# Altium PCB roach2.PcbDoc (part 34 of 39)
Units mil, origin at the board's own origin, x right, y up, seen from the top; angles counter-clockwise.
Board outline 12007.87 x 9606.3 mil, 16 copper layers (L1_TOP, L2_G, L3_S, L4_G, L5_S, L6_P, L7_G, L8_R, L9_R, L10_P, L11_P, L12_S, L13_P, L14_S, L15_G, L16_BOT), stack 81.651 mil thick; 1608 components, 1934 nets, 9335 pads, 6759 vias.
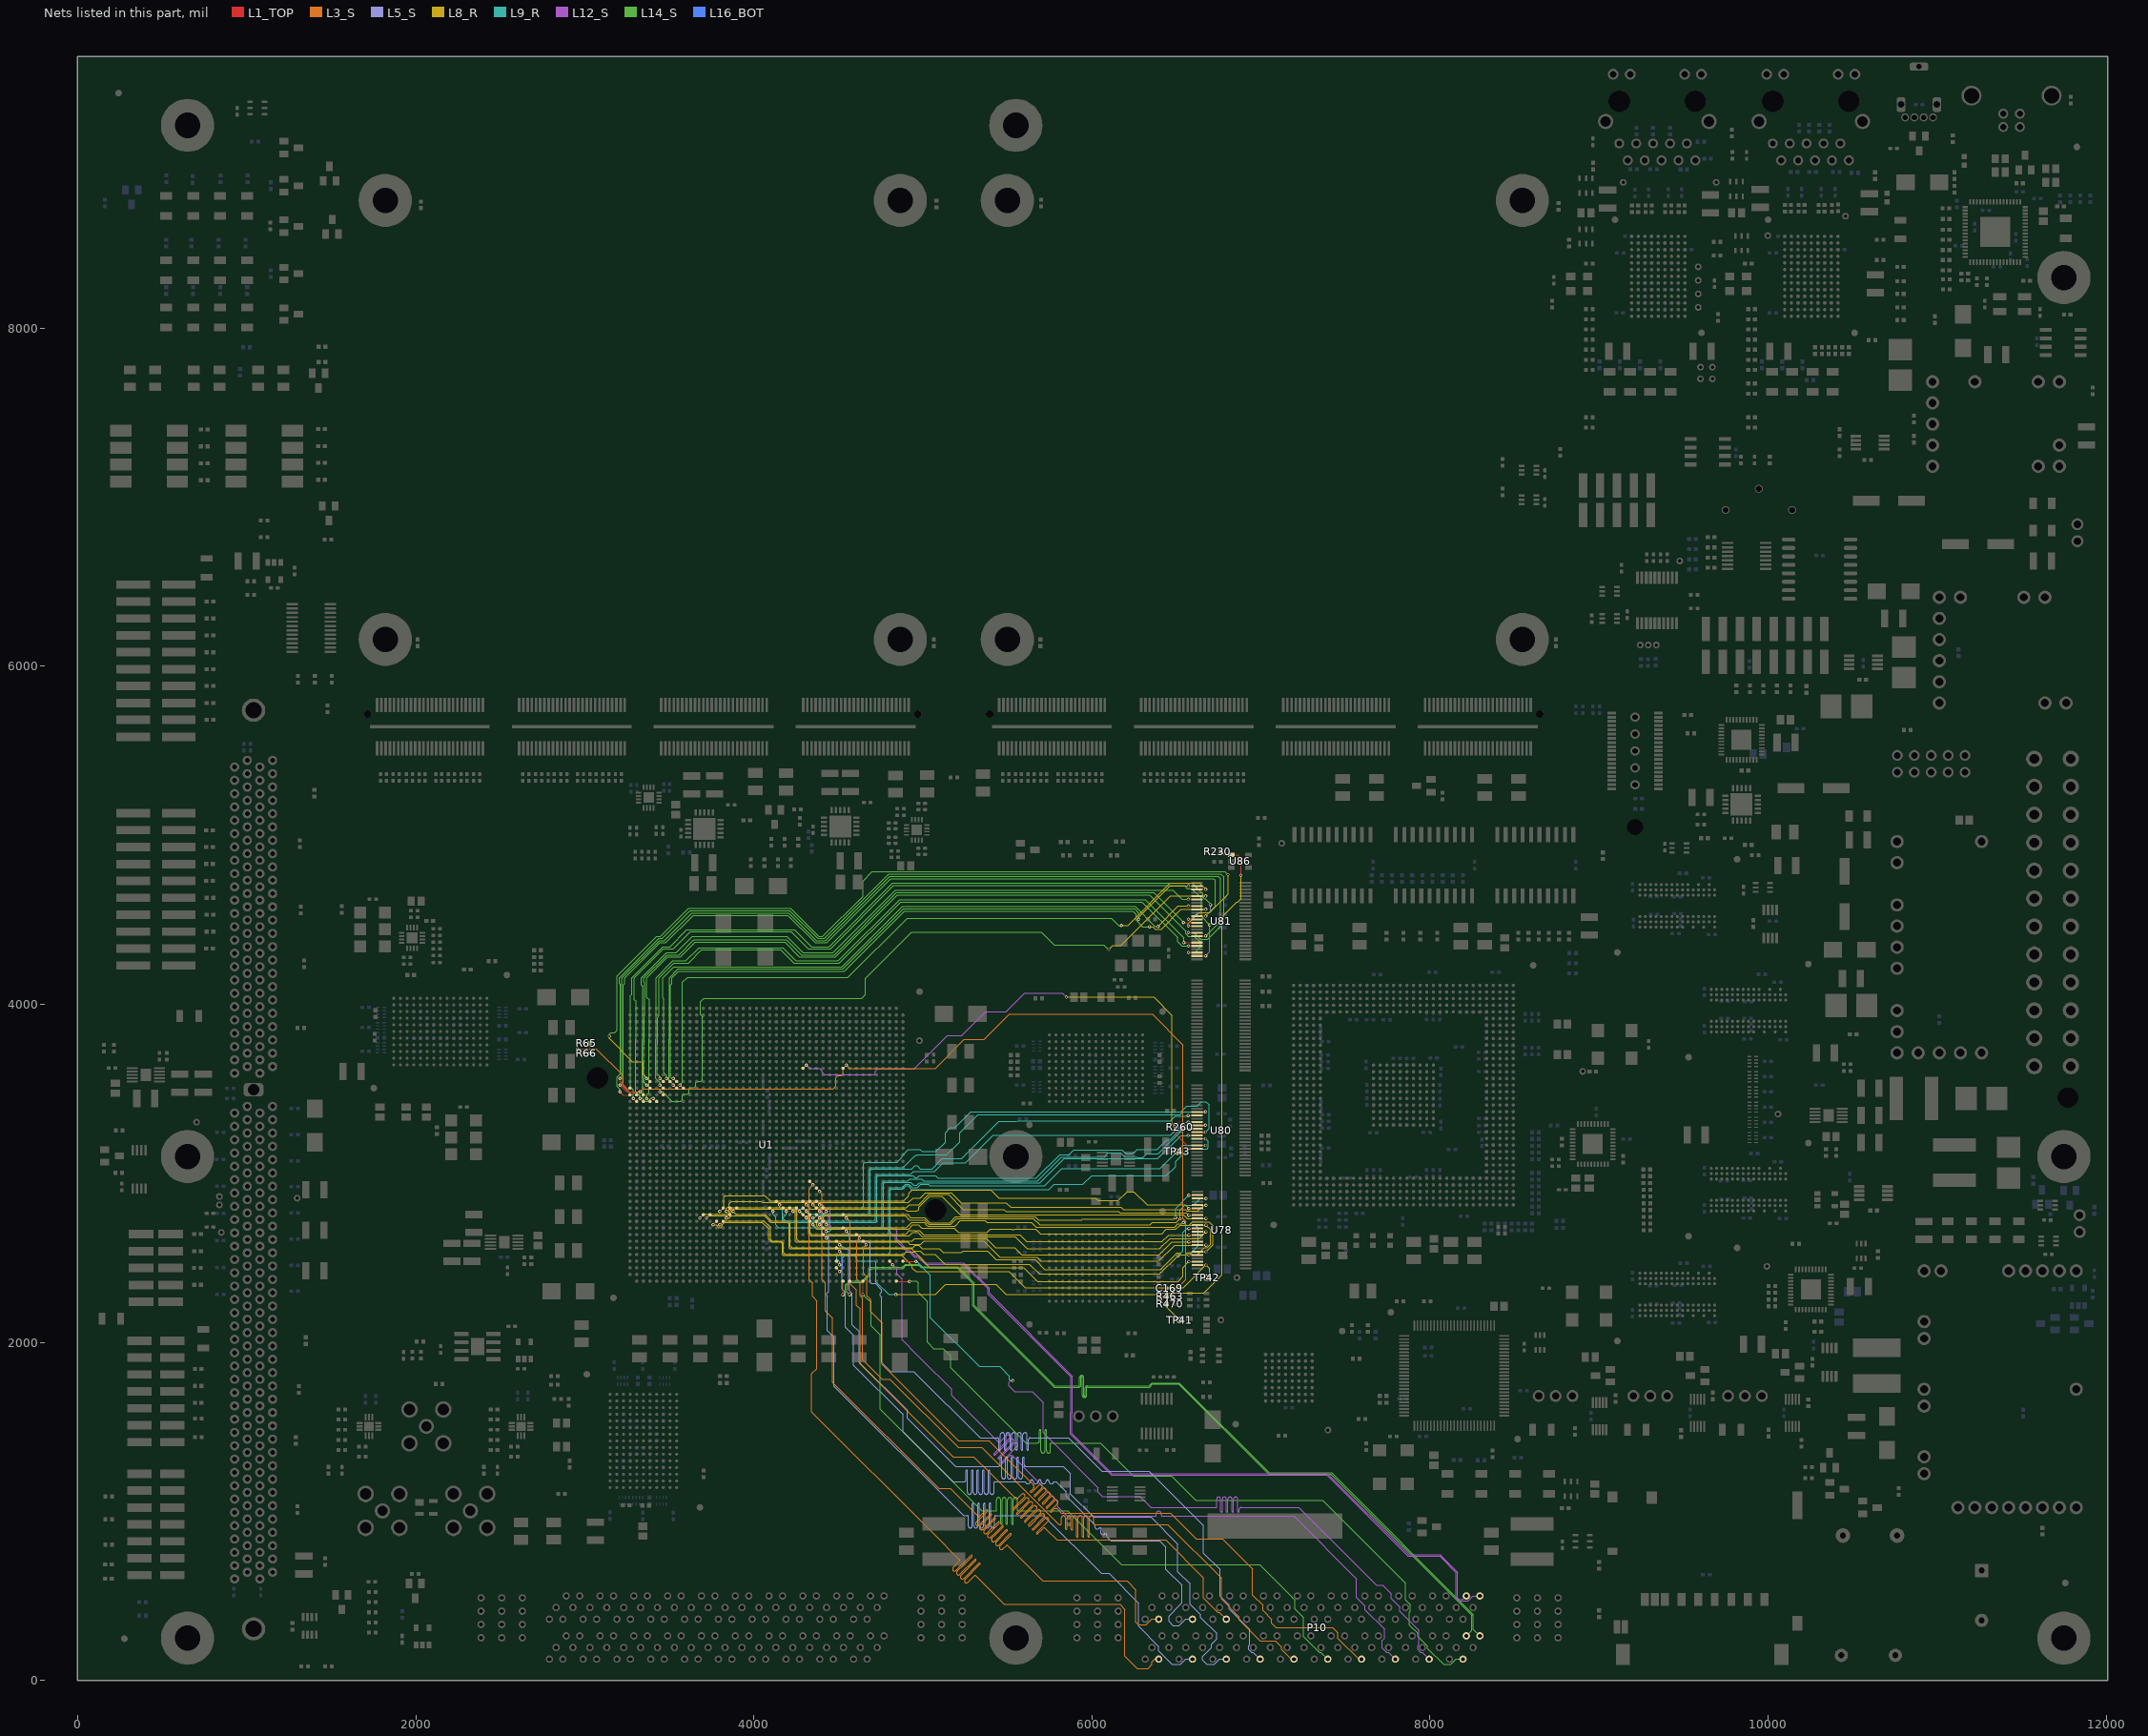
[diagram p48: the nets of this part, all layers, seen from the top]

## Via types
v1: diameter 19.4, hole 10, L1_TOP to L16_BOT, tented both sides, 3354 vias
v2: diameter 19.4, hole 10, L1_TOP to L16_BOT, 1884 vias
v3: diameter 19.4, hole 10, L1_TOP to L16_BOT, tented top, 410 vias
v4: diameter 18.6, hole 10, L1_TOP to L16_BOT, tented both sides, 311 vias
v5: diameter 59.06, hole 39.37, L1_TOP to L16_BOT, 217 vias
v6: diameter 19, hole 10, L1_TOP to L16_BOT, 198 vias
v7: diameter 19.4, hole 10.04, L1_TOP to L16_BOT, 125 vias
v8: diameter 19.4, hole 10, L1_TOP to L16_BOT, tented bottom, 80 vias
v9: diameter 25.98, hole 12.99, L1_TOP to L16_BOT, tented top, 59 vias
v10: diameter 20, hole 10, L1_TOP to L16_BOT, 52 vias
v11: diameter 59.06, hole 39.37, L1_TOP to L16_BOT, tented top, 44 vias
v12: diameter 20, hole 10, L1_TOP to L16_BOT, tented top, 16 vias
v13: diameter 19, hole 10, L1_TOP to L16_BOT, tented top, 5 vias
v14: diameter 50, hole 28, L1_TOP to L16_BOT, 4 vias

## Nets (pads, with @x,y where several pads share a name; then routed paths per layer and width w, separated by ;. In a path a pad name is that pad's centre, name@x,y a point inside that pad or via, vN(x,y) a via of type N, cw(c..) or ccw(c..) an arc to the next point about the centre after c; other vN are vias at no path point) (continued)
XL.PBEN0: U1.Y30 U80.13 | length 3131.9
  L1_TOP w5: U1.Y30@4132.96,2833.11 v1(4152.65,2813.42) ; U80.13@6603.89,3283.53 U80.13@6620.83,3283.53 v1@6671.83,3283.53
  L9_R w3.8: v1(4152.65,2813.42) 4152.65,2796.12 4168.25,2780.52 4168.25,2723.74 4181.07,2710.91 4718.91,2710.91 4727.6,2719.6 4727.6,2977.37 4736.74,2986.5 4941.76,2986.5 4953.27,2974.99 4966.19,2974.99 4977.71,2986.5 5073.48,2986.5 5088.99,2970.99 5670.99,2970.99 5810.99,3110.99 5864.99,3110.99 5892.99,3138.99 6176.99,3138.99 6200.99,3114.99 6240.99,3114.99 6266.99,3140.99 6384.99,3140.99 6442.99,3198.99 6460.99,3198.99 6546.87,3284.87 v1(6671.89,3284.87)
XL.PBEN1: U1.W31 U80.12 | length 2935.3
  L1_TOP w5: U1.W31@4172.33,2793.74 v1(4192.02,2774.05) ; v1@6569.83,3303.22 6569.89,3303.22 U80.12@6620.83,3303.22 U80.12@6637.77,3303.22
  L9_R w3.8: v1(4192.02,2774.05) 4192.02,2756.75 4176.42,2741.15 4176.42,2728.22 4185.55,2719.08 4710.29,2719.08 4719.43,2728.22 4719.43,2980.23 4733.51,2994.3 4822.62,2994.3 ; 4822.99,2994.67 4822.62,2994.3 ; v1(6569.89,3302.87) 6542.87,3302.87 6464.99,3224.99 5416.99,3224.99 5252.99,3060.99 5118.99,3060.99 5068.99,3010.99 4944.99,3010.99 4928.3,2994.3 4822.62,2994.3
XL.PBEN2: U1.R32 U80.10 | length 2738.7
  L1_TOP w5: U1.R32@4329.81,2754.37 v1(4349.5,2734.68) ; v1@6569.83,3342.59 6569.89,3342.59 U80.10@6620.83,3342.59 U80.10@6637.77,3342.59
  L9_R w3.8: v1(4349.5,2734.68) 4353.39,2734.68 4368.99,2750.28 4682.28,2750.28 4688.23,2756.23 4688.23,3016.74 4697.37,3025.87 4820.99,3025.87 ; 4822.99,3025.87 4820.99,3025.87 ; v1(6569.89,3342.24) 6566.56,3338.91 6492.91,3338.91 6464.99,3310.99 5559.06,3310.99 5554.77,3306.71 5450.71,3306.71 5230.99,3086.99 5114.99,3086.99 5053.87,3025.87 4985.88,3025.87 4966.19,3045.56 4953.27,3045.56 4933.58,3025.87 4820.99,3025.87
XL.PBEN3: U1.T32 U80.9 | length 2897.3
  L1_TOP w5: U1.T32@4290.44,2754.37 v1(4310.13,2734.68) ; U80.9@6603.89,3362.27 U80.9@6620.83,3362.27 v1@6671.83,3362.27
  L9_R w3.8: v1(4310.13,2734.68) 4333.9,2758.45 4670.92,2758.45 4680.06,2767.59 4680.06,3019.6 4694.14,3033.67 4881.67,3033.67 4956.85,3108.85 4966.19,3108.85 4966.34,3108.99 5140.99,3108.99 5218.99,3186.99 5218.99,3240.99 5324.71,3346.71 6520.71,3346.71 6537.61,3363.61 v1(6671.89,3363.61)
XL.PBLASTN: U1.N34 U80.16 | length 2639.7
  L1_TOP w5: U1.N34@4408.55,2675.63 v1(4428.24,2655.94) ; v1(6569.83,3224.48) U80.16@6620.83,3224.48 U80.16@6637.77,3224.48
  L9_R w3.8: v1(4428.24,2655.94) 4445.54,2655.94 4461.14,2671.54 4761.54,2671.54 4766.99,2676.99 4766.99,2688.83 4766.97,2938 4776.11,2947.13 4928.85,2947.13 4944.99,2930.99 4964.99,2930.99 4978.99,2944.99 5692.99,2944.99 5834.99,3086.99 6123.23,3086.99 6123.46,3086.76 6136.38,3086.76 6136.61,3086.99 6150.79,3086.99 6151.02,3086.76 6163.94,3086.76 6164.17,3086.99 6265.74,3086.99 6265.9,3086.84 6388.84,3086.84 6526.48,3224.48 v1(6569.83,3224.48)
XL.PCSN0: TP43.1 U1.N35 U80.19 | length 2737.5
  L1_TOP w5: U1.N35@4408.55,2636.26 v1(4428.24,2616.57) ; U80.19@6603.89,3165.42 U80.19@6620.83,3165.42 v1(6671.83,3165.42)
  L9_R w3.8: v1(4428.24,2616.57) 4448.65,2636.99 4785.68,2636.99 4798.17,2649.48 4798.17,2654.62 4798.54,2654.99 4798.54,2901.86 4812.25,2915.56 4877.3,2915.56 4896.98,2935.25 4916.37,2935.25 4936.05,2915.56 4967.56,2915.56 4987.32,2935.32 5033.12,2935.32 5041.45,2926.99 5720.99,2926.99 5822.99,3028.99 6402.99,3028.99 6503.99,3129.99 6539.42,3165.42 v1(6671.83,3165.42)
XL.PCSN1: U1.L39 U80.17 | length 2927.1
  L1_TOP w5: U1.L39@4487.29,2478.78 v1(4506.98,2459.09) ; U80.17@6603.89,3204.79 U80.17@6620.83,3204.79 v1(6671.83,3204.79)
  L9_R w3.8: v1(4506.98,2459.09) 4506.98,2476.4 4491.38,2492 4491.38,2509.38 4503.86,2521.86 4793.86,2521.86 4806.34,2534.34 4806.34,2898.63 4815.48,2907.76 4880.53,2907.76 4900.21,2927.45 4913.14,2927.45 4922.28,2918.31 4922.28,2914.99 4932.28,2904.99 4991.77,2904.99 4992.64,2904.12 5746.12,2904.12 5776.99,2934.99 5946.99,2934.99 5998.99,2986.99 6440.99,2986.99 6494.99,3040.99 6494.99,3070.99 6568.99,3144.99 6680.99,3144.99 6688,3152 6688,3188.62 v1(6671.83,3204.79)
XL.PCSN2: R260.1 U1.T10 U80.20 | length 3411.2
  L1_TOP w5: U1.T10@4290.44,3620.51 4291.66,3621.73 v1(4310.13,3640.2) ; v2(6488.99,3276.99) 6488.99,3236.99 6580.25,3145.74 U80.20@6620.83,3145.74 U80.20@6637.77,3145.74
  L8_R w3.8: v2(5848.99,4042.99) 6364.99,4042.99 6472.99,3934.99 6472.99,3292.99 v2(6488.99,3276.99)
  L12_S w3.8: v1(4310.13,3640.2) 4329.33,3620.99 4390.76,3620.99 4404.47,3607.29 4404.47,3599.52 4418.76,3585.23 4710.29,3585.23 4719.43,3594.37 4719.43,3605.93 4732.49,3618.99 4948.99,3618.99 5144.99,3814.99 5228.99,3814.99 5370.99,3956.99 5491.99,3956.99 5601.99,4066.99 5824.99,4066.99 v2(5848.99,4042.99)
  L16_BOT w5: v2(6488.99,3276.99) 6499.31,3276.99 R260.1@6520.99,3255.31
XL.PDATA0: U1.AR13 U81.2 | length 4115.8
  L1_TOP w5: v1(3522.72,3522.09) 3542.09,3502.72 U1.AR13@3542.41,3502.4 ; v1(6570.73,4699.61) U81.2@6621.73,4699.61 U81.2@6638.67,4699.61
  L8_R w3.8: v2(6276.99,4502.99) 6276.99,4514.99 6461.61,4699.61 v1(6570.73,4699.61)
  L14_S w3.8: v1@3523.62,3523.62 3500,3547.24 3498.95,3548.29 3498.95,3791.85 3499.85,3792.75 3499.85,4156.84 3552,4208.99 4528.93,4208.99 4884.72,4564.79 6253.2,4564.79 6276.99,4540.99 v2(6276.99,4502.99)
XL.PDATA1: U1.AP13 U81.3 | length 4099.1
  L1_TOP w5: v1(3562.09,3522.09) 3581.46,3502.72 U1.AP13@3581.78,3502.4 ; U81.3@6604.79,4679.93 U81.3@6621.73,4679.93 v1(6672.73,4679.93)
  L8_R w3.8: v2(6174.99,4466.99) 6212.93,4466.99 6230.96,4485.02 6462.93,4716.99 6635.66,4716.99 v1(6672.73,4679.93)
  L14_S w3.8: v1(3562.09,3522.09) 3577.69,3537.69 3577.69,3791.85 3578.59,3792.75 3578.59,4003.42 3578.18,4003.84 3578.18,4130.18 3606.99,4158.99 4556.99,4158.99 4907.59,4509.59 6114.4,4509.59 6156.99,4466.99 v2(6174.99,4466.99)
XL.PDATA2: U1.AU14 U81.5 | length 4314.1
  L1_TOP w5: v1(3443.98,3482.72) U1.AU14@3463.67,3463.03 ; U81.5@6604.79,4640.56 U81.5@6621.73,4640.56 v1(6672.73,4640.56)
  L8_R w3.8: v6@6102.36,4326.77 6122.58,4346.99 6170.99,4346.99 6464.56,4640.56 v1(6672.73,4640.56)
  L14_S w3.8: v1@3444.88,3484.25 3458.79,3484.25 3515.55,3427.49 3568.3,3427.49 3577.99,3437.18 3577.99,3461.99 3583.12,3467.12 3607.93,3467.12 3617.06,3476.25 3617.06,3499.06 3624.49,3506.49 3647.3,3506.49 3656.43,3515.62 3656.43,3535.43 3666.86,3545.86 3686.67,3545.86 3695.8,3554.99 3695.8,3791.85 3696.7,3792.75 3696.7,3923.79 3696.24,3924.24 3696.7,3924.7 3696.7,3928.49 3684.99,3940.2 3684.99,4014.99 3704.99,4034.99 4638.99,4034.99 4660.65,4056.65 4660.65,4153.34 4934.1,4426.79 5701.88,4426.79 5777.88,4350.79 6070.47,4350.79 6095.15,4326.11 6099.68,4326.11 v6(6099.68,4324.09)
XL.PDATA3: U1.AV15 U81.6 | length 4458.6
  L1_TOP w5: v1(3404.61,3443.35) 3423.98,3423.98 U1.AV15@3424.3,3423.66 ; v1(6570.73,4620.87) U81.6@6621.73,4620.87 U81.6@6638.67,4620.87
  L14_S w3.8: 3334.99,4126.99 3334.99,4112.99 ; v1@3405.51,3444.88 3404.61,3444.88 3391.88,3444.88 3373.99,3426.99 3355.99,3426.99 3341.84,3441.14 3341.84,3562.62 3341.47,3562.99 3341.47,3791.85 3342.37,3792.75 3342.37,4003.42 3341.99,4003.8 3341.99,4105.99 3334.99,4112.99 ; v1(6570.73,4620.87) 6533.11,4620.87 6478.8,4675.19 4838.99,4675.19 4468.8,4304.99 4290.99,4304.99 4194.99,4400.99 3636.99,4400.99 3540.99,4304.99 3482.99,4304.99 3334.99,4156.99 3334.99,4112.99
XL.PDATA4: U1.AT12 U81.8 | length 4081.7
  L1_TOP w5: v1(3483.35,3561.46) 3502.72,3542.09 U1.AT12@3503.04,3541.77 ; v1(6570.73,4581.5) U81.8@6621.73,4581.5 U81.8@6638.67,4581.5
  L8_R w3.8: v2(6390.99,4460.99) 6511.5,4581.5 v1(6570.73,4581.5)
  L14_S w3.8: v1@3484.25,3562.99 3484.25,3580.3 3479.32,3585.23 3476.89,3585.23 3467.75,3594.37 3467.75,3786.94 3468.65,3787.83 3468.65,4031.33 3462.99,4036.99 3462.99,4156.99 3526.99,4220.99 4521.41,4220.99 4879.01,4578.59 6255.4,4578.59 6372.99,4460.99 v2(6390.99,4460.99)
XL.PDATA5: U1.AR12 U81.9 | length 4141.4
  L1_TOP w5: v1(3522.72,3561.46) 3542.09,3542.09 U1.AR12@3542.41,3541.77 ; U81.9@6604.79,4561.82 U81.9@6621.73,4561.82 v1(6672.73,4561.82)
  L8_R w3.8: v2(6340.99,4458.99) 6360.99,4458.99 6374.99,4444.99 6410.99,4444.99 6527.82,4561.82 v1(6672.73,4561.82)
  L14_S w3.8: 3508,3918.01 3508,4115.44 3514.99,4122.43 3514.99,4156.99 3554.99,4196.99 4536.44,4196.99 4890.44,4550.99 6243,4550.99 6261.39,4532.59 6261.39,4496.53 6298.93,4458.99 v2(6340.99,4458.99) ; 3508.02,3917.99 3508.02,3765.67 3507.12,3764.77 3507.12,3567.31 3508,3566.43 3511.44,3562.99 3522.72,3562.99 v1@3523.62,3562.99
XL.PDATA6: U1.BA14 U81.11 | length 4972
  L1_TOP w5: v1(3207.76,3522.09) 3247.39,3482.46 3286.76,3482.46 ; U1.BA14@3306.19,3463.03 U1.BA14@3305.87,3463.35 ; U81.11@6604.79,4522.45 U81.11@6621.73,4522.45 v1(6672.73,4522.45) ; 3286.76,3482.46 U1.BA14@3305.87,3463.35 ; 3286.76,3482.46 U1.BA14@3305.87,3463.35
  L14_S w3.8: v1@3208.66,3523.62 3226.99,3541.95 3226.99,4113.64 3236.99,4123.64 3236.99,4156.99 3444.99,4364.99 3478.99,4364.99 3640.99,4526.99 4200.99,4526.99 4362.99,4364.99 4431.22,4364.99 4810.41,4744.19 6719.8,4744.19 6728.99,4734.99 6728.99,4578.71 v1(6672.73,4522.45)
XL.PDATA7: U1.BA15 U81.12 | length 4814.7
  L1_TOP w5: v1@3286.87,3441.98 3305.37,3423.48 U1.BA15@3306.56,3422.29 ; v1(6570.73,4502.76) U81.12@6621.73,4502.76 U81.12@6638.67,4502.76
  L14_S w3.8: v1@3287.77,3443.51 3287.77,3494.21 3269.99,3511.99 3269.99,4051.99 3276.99,4058.99 3276.99,4156.99 3460.99,4340.99 3502.99,4340.99 3602.99,4440.99 4240.99,4440.99 4340.99,4340.99 4446.25,4340.99 4821.85,4716.59 6592.99,4716.59 6657.13,4652.45 6657.13,4634.09 6666.27,4624.96 6671.02,4624.96 6700.99,4594.99 v2(6700.99,4588.99)
  L16_BOT w5: v1(6570.73,4502.76) 6588.76,4502.76 6628.99,4542.99 6694.99,4542.99 6700.99,4548.99 v2(6700.99,4588.99)
  other v1: 3286.87,3443.35
XL.PDATA8: U1.AW13 U81.13 | length 4289.8
  L1_TOP w5: v1(3365.24,3522.09) 3384.61,3502.72 U1.AW13@3384.93,3502.4 ; v1@6541.25,4482.91 U81.13@6609.19,4482.91
  L14_S w3.8: v1(3365.24,3522.09) 3349.64,3537.69 3349.64,3764.77 3350.54,3765.67 3350.54,3923.79 3354.49,3927.74 3354.49,4127.49 3349.99,4131.99 3349.99,4156.44 3486.54,4292.99 3556.99,4292.99 3644.99,4380.99 4192.99,4380.99 4280.99,4292.99 4476.31,4292.99 4844.71,4661.39 6366.6,4661.39 6540.99,4486.99 v1(6540.99,4482.99)
XL.PDATA9: U1.AW12 U81.14 | length 5366.2
  L1_TOP w5: v1(3365.24,3561.46) 3384.61,3542.09 U1.AW12@3384.93,3541.77 ; v1(6570.73,4463.39) U81.14@6621.73,4463.39 U81.14@6638.67,4463.39
  L8_R w3.8: v2(3144.99,3810.99) 3144.99,3796.99 3280.99,3660.99 3338.99,3660.99 3344.99,3654.99 3344.99,3584.14 v1@3366.14,3562.99 ; v1(6570.73,4463.39) 6570.73,4478.73 6634.99,4542.99 6694.99,4542.99 6804.99,4652.99 v2(6804.99,4766.99)
  L12_S w3.8: v1@3366.14,3562.99 v1@3368.11,3562.99
  L14_S w3.8: v2(3144.99,3810.99) 3144.99,3822.99 3154.99,3832.99 3176.99,3832.99 3190.99,3846.99 3190.99,4168.99 3424.99,4402.99 3448.99,4402.99 3614.99,4568.99 4216.99,4568.99 4384.99,4400.99 4406.99,4400.99 4644.99,4638.99 4644.99,4730.16 4699.83,4784.99 6786.99,4784.99 v2(6804.99,4766.99)
XL.PDATA10: U1.BB14 U81.16 | length 5337.3
  L1_TOP w5: v1(3207.76,3482.72) 3227.45,3463.03 U1.BB14@3266.82,3463.03 ; v1(6570.73,4424.02) U81.16@6621.73,4424.02 U81.16@6638.67,4424.02
  L14_S w3.8: v1@3208.66,3484.25 3208.66,3497.82 3191.99,3514.49 3191.99,3569.94 3210.63,3588.58 3210.63,4116.99 3204.99,4122.63 3204.99,4156.99 3438.99,4390.99 3458.99,4390.99 3622.99,4554.99 4212.99,4554.99 4376.99,4390.99 4418.19,4390.99 4798.98,4771.79 6762.2,4771.79 6780.99,4752.99 6780.99,4480.99 6684.99,4384.99 6642.99,4384.99 6603.96,4424.02 v1(6570.73,4424.02)
XL.PDATA11: U1.BB13 U81.17 | length 5066.7
  L1_TOP w5: v1(3207.76,3561.46) 3207.76,3545 3250.36,3502.4 U1.BB13@3266.82,3502.4 ; U81.17@6604.79,4404.34 U81.17@6621.73,4404.34 v1(6672.73,4404.34)
  L14_S w3.8: v1@3208.66,3562.99 3218.99,3573.32 3218.99,4155.44 3440.55,4376.99 3468.99,4376.99 3632.99,4540.99 4206.99,4540.99 4370.99,4376.99 4423.7,4376.99 4804.7,4757.99 6746,4757.99 6760.99,4742.99 6760.99,4492.6 v1(6672.73,4404.34)
XL.PDATA12: U1.AU13 U81.19 | length 4244.4
  L1_TOP w5: v1(3443.59,3522.21) 3443.86,3522.21 3463.35,3502.72 U1.AU13@3463.67,3502.4 ; v1(6543.25,4365.02) U81.19@6611.19,4365.02
  L14_S w3.8: v1@3444.49,3523.74 3444.49,3538.49 3420.21,3562.77 3420.21,3791.85 3421.11,3792.75 3421.11,4156.62 3521.48,4256.99 3596.99,4256.99 3674.99,4334.99 4170.99,4334.99 4248.99,4256.99 4498.86,4256.99 4861.86,4619.99 6192.99,4619.99 ; 6197.32,4619.99 6192.99,4619.99 ; v1(6543.25,4365.02) 6543.25,4392.73 6316,4619.99 6192.99,4619.99
XL.PDATA13: U1.AU12 U81.20 | length 4212.2
  L1_TOP w5: v1(3443.98,3561.46) 3463.35,3542.09 U1.AU12@3463.67,3541.77 ; v1(6570.73,4345.28) U81.20@6621.73,4345.28 U81.20@6638.67,4345.28
  L14_S w3.8: 3438.99,4016.99 3438.99,4020.99 ; v1@3444.88,3562.99 3444.88,3574.1 3428.38,3590.6 3428.38,3764.77 3429.28,3765.67 3429.28,3923.79 3438.99,3933.5 3438.99,4020.99 ; 6191.6,4606.19 6188.99,4606.19 ; v1(6570.73,4345.28) 6532.7,4345.28 6506.99,4370.99 6506.99,4394.99 6295.8,4606.19 6188.99,4606.19 ; 3438.99,4020.99 3438.99,4156.99 3526.99,4244.99 3612.99,4244.99 3690.99,4322.99 4158.99,4322.99 4236.99,4244.99 4506.38,4244.99 4867.58,4606.19 6188.99,4606.19
XL.PDATA14: U1.AW15 U81.22 | length 4608.9
  L1_TOP w5: v1(3365.24,3443.35) 3384.61,3423.98 U1.AW15@3384.93,3423.66 ; v1(6570.73,4305.91) U81.22@6621.73,4305.91 U81.22@6638.67,4305.91
  L14_S w3.8: v1@3366.14,3444.88 3366.14,3461.55 3380.84,3476.25 3380.84,3791.85 3381.74,3792.75 3381.74,4027.24 3366.99,4041.99 3366.99,4156.99 3490.99,4280.99 3566.99,4280.99 3652.99,4366.99 4182.99,4366.99 4268.99,4280.99 4483.83,4280.99 4850.43,4647.59 6340.4,4647.59 6555.13,4432.86 6555.13,4417.56 6569.7,4402.99 6606.99,4402.99 6642.99,4366.99 6642.99,4340.99 6607.91,4305.91 v1(6570.73,4305.91)
XL.PDATA15: U1.AY15 U81.23 | length 4888.5
  L1_TOP w5: v1(3325.87,3443.35) 3345.24,3423.98 U1.AY15@3345.56,3423.66 ; U81.23@6604.79,4286.23 U81.23@6621.73,4286.23 v1(6672.73,4286.23)
  L12_S w3.8: v1(6672.73,4286.23) 6696.99,4310.49 v2(6696.99,4468.99)
  L14_S w3.8: v1@3326.77,3444.88 3326.77,3459.21 3302.1,3483.88 3302.1,3791.85 3303,3792.75 3303,3924.68 3302.49,3925.19 3302.49,4018.25 3292.99,4027.75 3292.99,4156.99 3464.99,4328.99 3524.99,4328.99 3624.99,4428.99 4220.99,4428.99 4320.99,4328.99 4453.77,4328.99 4827.56,4702.79 6545.49,4702.79 6564.27,4684.01 6589.97,4684.01 6646.99,4626.99 6646.99,4518.99 v2(6696.99,4468.99)
XL.PDATA16: U1.P33 U78.2 | length 2463.3
  L1_TOP w5: U1.P33@4369.18,2715 v1(4388.87,2695.31) ; v1(6572.93,2870.93) U78.2@6623.93,2870.93 U78.2@6640.87,2870.93
  L8_R w3.8: v1(4388.87,2695.31) 4404.84,2711.28 4404.84,2744.38 4418.54,2758.08 4426.62,2758.08 4426.99,2758.45 4911.11,2758.45 4916.57,2752.99 4916.57,2747.91 4925.71,2738.77 5009.23,2738.77 5040,2708 5158,2708 5192.99,2742.99 5664.99,2742.99 5682.99,2724.99 5940.71,2724.99 5943.92,2728.2 6484.2,2728.2 v2(6494.99,2738.99)
  L9_R w3.8: v2(6494.99,2738.99) 6494.99,2792.99 v1(6572.93,2870.93)
XL.PDATA17: U1.N33 U78.3 | length 2561.2
  L1_TOP w5: U1.N33@4408.55,2715 v1(4428.24,2695.31) ; U78.3@6606.99,2851.24 U78.3@6623.93,2851.24 v1(6674.93,2851.24)
  L8_R w3.8: v1(4428.24,2695.31) 4428.24,2712.62 4412.64,2728.22 4412.64,2741.15 4421.77,2750.28 4895.7,2750.28 4920.99,2724.99 5009.01,2724.99 5036,2698 5164,2698 5198.99,2732.99 5652.99,2732.99 5690.99,2694.99 6344.99,2694.99 6358.99,2708.99 6498.99,2708.99 v2(6520.99,2730.99)
  L9_R w3.8: v2(6520.99,2730.99) 6520.99,2782.99 6548.99,2810.99 6600.99,2810.99 6641.24,2851.24 v1(6674.93,2851.24)
XL.PDATA18: U1.AG31 U78.5 | length 3060.8
  L1_TOP w5: v1(3837.68,2774.05) U1.AG31@3857.37,2793.74 ; U78.5@6606.99,2811.87 U78.5@6623.93,2811.87 v1(6674.93,2811.87)
  L8_R w3.8: v1(3837.68,2774.05) 3837.68,2791.36 3853.28,2806.96 3853.28,2819.28 3866.99,2832.99 4040.99,2832.99 4046.99,2826.99 4104.78,2826.99 4106.81,2829.02 4915.02,2829.02 4940.99,2854.99 4984.99,2854.99 5014.99,2884.99 5166.99,2884.99 5226.99,2824.99 5492.99,2824.99 5518.99,2798.99 6172.99,2798.99 6186.99,2784.99 6552.99,2784.99 6561.4,2776.59 6626.59,2776.59 6661.87,2811.87 v1(6674.93,2811.87)
XL.PDATA19: U1.AH31 U78.6 | length 3080.9
  L1_TOP w5: v1(3798.31,2774.05) U1.AH31@3818,2793.74 ; v1(6572.93,2792.19) U78.6@6623.93,2792.19 U78.6@6640.87,2792.19
  L8_R w3.8: v1(3798.31,2774.05) 3822.08,2797.82 3822.08,2859.26 3831.22,2868.39 4066.48,2868.39 4097.68,2837.19 4116.62,2837.19 4116.99,2836.82 4885.79,2836.82 4916.99,2868.02 4916.99,2880.99 4936.99,2900.99 5400.99,2900.99 5448.99,2852.99 6022.99,2852.99 6036.99,2838.99 6154.99,2838.99 6206.99,2890.99 6248.99,2890.99 6326.99,2812.99 6552.13,2812.99 v1(6572.93,2792.19)
XL.PDATA20: U1.R30 U78.8 | length 2408.5
  L1_TOP w5: U1.R30@4329.81,2833.11 v1(4349.5,2813.42) ; v1(6572.93,2752.82) U78.8@6623.93,2752.82 U78.8@6640.87,2752.82
  L8_R w3.8: v1(4349.5,2813.42) 4365.47,2797.45 4901.45,2797.45 4918.99,2814.99 4974.99,2814.99 5034.99,2874.99 5151.01,2874.99 5239.01,2786.99 5478.99,2786.99 5490.99,2774.99 6158.99,2774.99 6166.99,2766.99 6558.76,2766.99 v1(6572.93,2752.82)
XL.PDATA21: U1.T30 U78.9 | length 2573.1
  L1_TOP w5: U1.T30@4290.44,2833.11 v1(4310.13,2813.42) ; U78.9@6606.99,2733.13 U78.9@6623.93,2733.13 v1(6674.93,2733.13)
  L8_R w3.8: v1(4310.13,2813.42) 4333.9,2789.65 4891.65,2789.65 4904.32,2776.99 4965.05,2776.99 4975.33,2787.28 4975.33,2799.33 5040,2864 5112,2864 5221.01,2754.99 6540.99,2754.99 6562.99,2732.99 6674.79,2732.99 v1(6674.93,2733.13)
XL.PDATA22: U1.AF31 U78.11 | length 3366.3
  L1_TOP w5: v1(3877.05,2774.05) U1.AF31@3896.74,2793.74 ; U78.11@6606.99,2693.76 U78.11@6623.93,2693.76 v1(6674.93,2693.76)
  L8_R w3.8: v1(3877.05,2774.05) 3893.02,2758.08 4064.93,2758.08 4104.3,2718.71 4201.71,2718.71 4215.42,2705.01 4215.42,2699.36 4215.79,2698.99 4215.79,2570.74 4224.92,2561.6 4232.62,2561.6 4232.99,2561.23 4941.38,2561.23 4953.27,2573.12 4976.86,2573.12 4996.55,2553.43 5098.55,2553.43 5118.99,2532.99 5230.88,2532.99 5238.32,2540.43 5381.56,2540.43 5432.99,2488.99 5662.99,2488.99 5720.99,2430.99 6406.99,2430.99 6493.39,2517.39 6493.39,2519.45 6502.53,2528.59 6515.45,2528.59 6524.59,2519.45 6557.33,2519.45 6557.33,2523.06 6566.47,2532.2 6579.39,2532.2 6588.53,2523.06 6588.53,2519.45 6623.45,2519.45 6664.05,2560.05 6681.39,2560.05 6700.99,2579.65 6700.99,2667.7 v1(6674.93,2693.76)
XL.PDATA23: U1.AG32 U78.12 | length 3239.2
  L1_TOP w5: v1(3837.68,2734.68) U1.AG32@3857.37,2754.37 ; v1(6572.93,2674.08) U78.12@6623.93,2674.08 U78.12@6640.87,2674.08
  L8_R w3.8: v1(3837.68,2734.68) 3852.68,2734.68 3868.28,2750.28 4061.7,2750.28 4101.07,2710.91 4198.48,2710.91 4207.62,2701.78 4207.62,2560.37 4214.55,2553.43 4932.55,2553.43 4944.06,2541.92 4983.5,2541.92 5003.19,2522.23 5071.75,2522.23 5130.99,2462.99 5630.99,2462.99 5688.99,2404.99 6400.99,2404.99 v2(6508.99,2512.99)
  L9_R w3.8: v2(6508.99,2512.99) 6536.99,2540.99 6536.99,2650.99 6560.08,2674.08 v1(6572.93,2674.08)
XL.PDATA24: U1.U31 U78.13 | length 2704.9
  L1_TOP w5: U1.U31@4251.07,2793.74 v1(4270.76,2774.05) ; U78.13@6606.99,2654.39 U78.13@6623.93,2654.39 v1(6674.93,2654.39)
  L8_R w3.8: v1(4270.76,2774.05) 4294.53,2750.28 4316.59,2750.28 4325.73,2741.15 4325.73,2644.26 4337.81,2632.17 4920.17,2632.17 4939.86,2651.86 4970.12,2651.86 4996.99,2624.99 5546.99,2624.99 5617.01,2554.97 6400.97,2554.97 6460.99,2614.99 6635.53,2614.99 v1(6674.93,2654.39)
XL.PDATA25: U1.T31 U78.14 | length 2527.9
  L1_TOP w5: U1.T31@4290.44,2793.74 v1(4310.13,2774.05) ; v1(6572.93,2634.71) U78.14@6623.93,2634.71 U78.14@6640.87,2634.71
  L8_R w3.8: v1(4310.13,2774.05) 4333.53,2750.65 4333.53,2647.49 4340.67,2640.34 4900.34,2640.34 4920.99,2660.99 4952.31,2660.99 4953.27,2660.03 4966.19,2660.03 4967.16,2660.99 4978.99,2660.99 5002.99,2636.99 5572.99,2636.99 5612.99,2596.99 6394.99,2596.99 ; 6396.99,2596.99 6394.99,2596.99 ; v1(6572.93,2634.71) 6452.71,2634.71 6414.99,2596.99 6394.99,2596.99